# Altium PCB PCB1.PcbDoc
Units mil, origin at the board's own origin, x right, y up, seen from the top; angles counter-clockwise.
Board outline 6299.21 x 2401.57 mil, 4 copper layers (Top Layer, Int1 (GND), Int2 (PWR), Bottom Layer), stack 53.912 mil thick; 14 components, 27 nets, 114 pads, 6 vias.
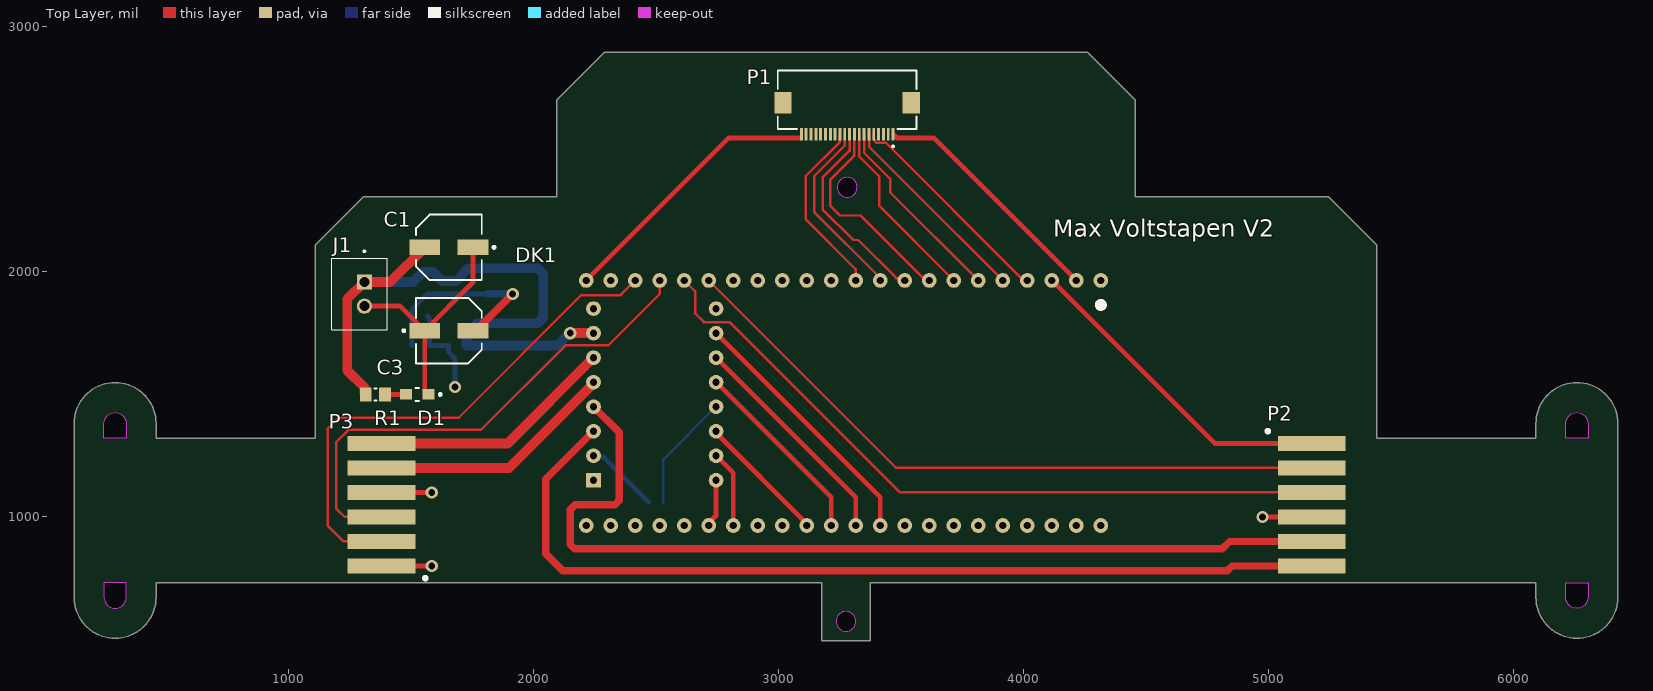
[diagram p0: Top Layer view]
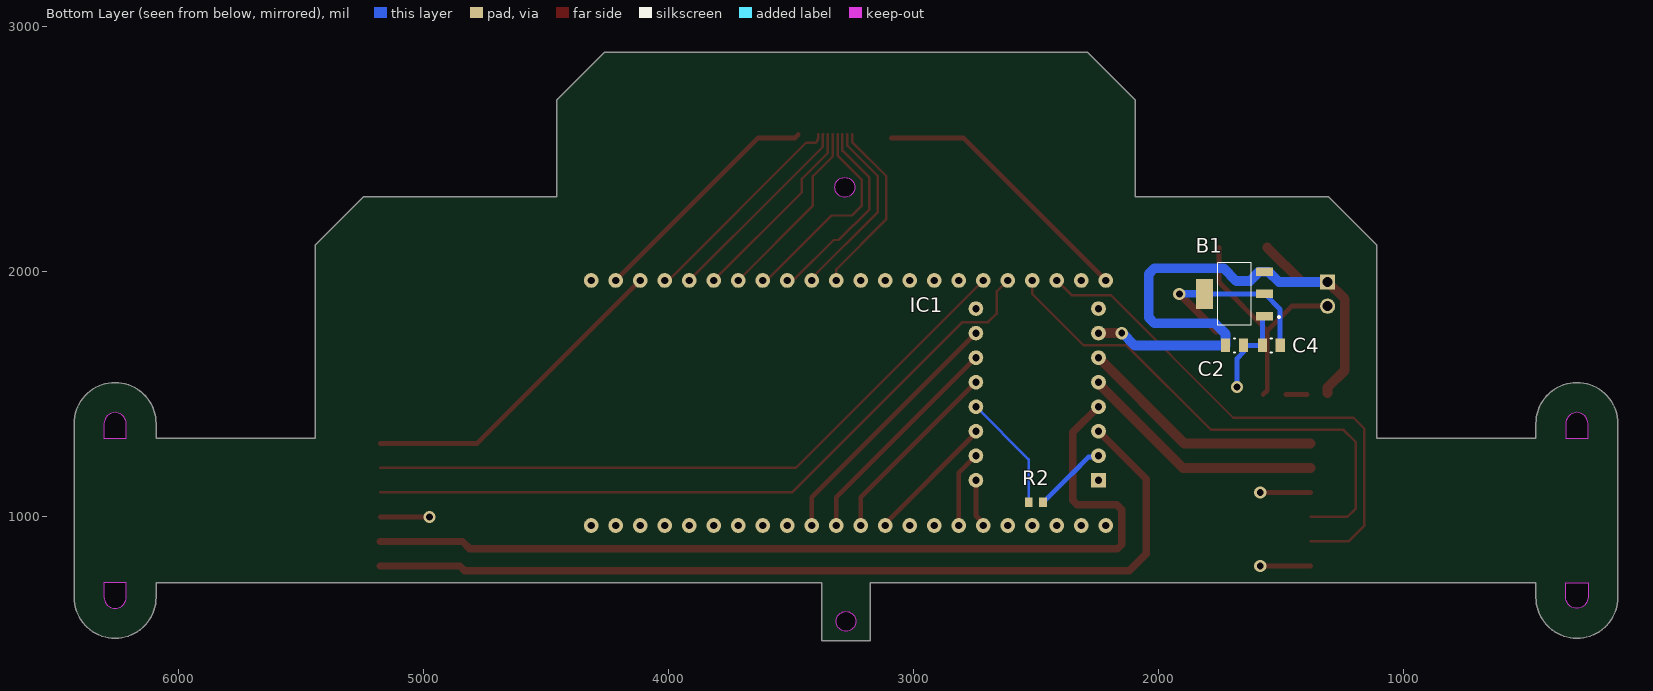
[diagram p1: Bottom Layer view, seen from below]
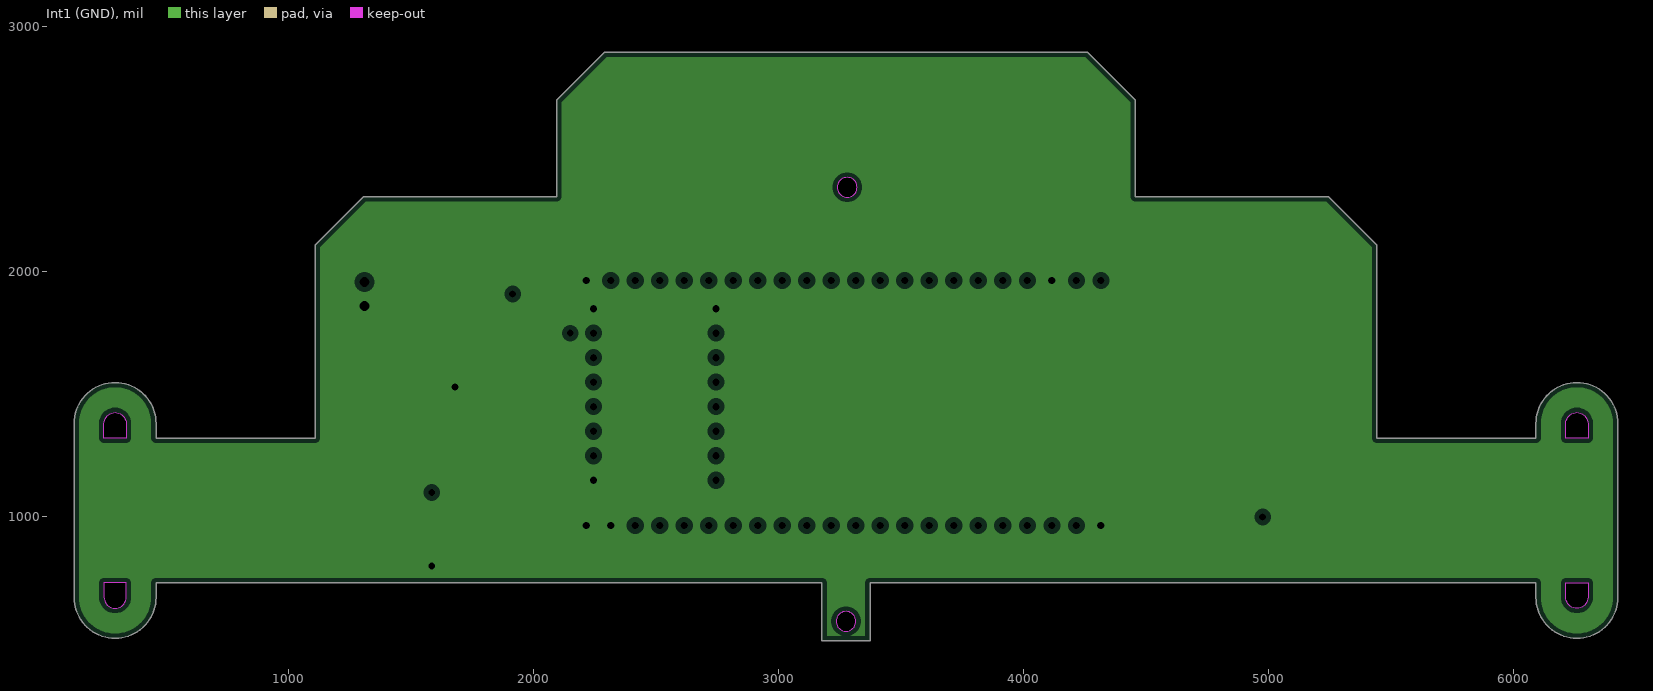
[diagram p2: Int1 (GND), clearances drawn from the general rule]
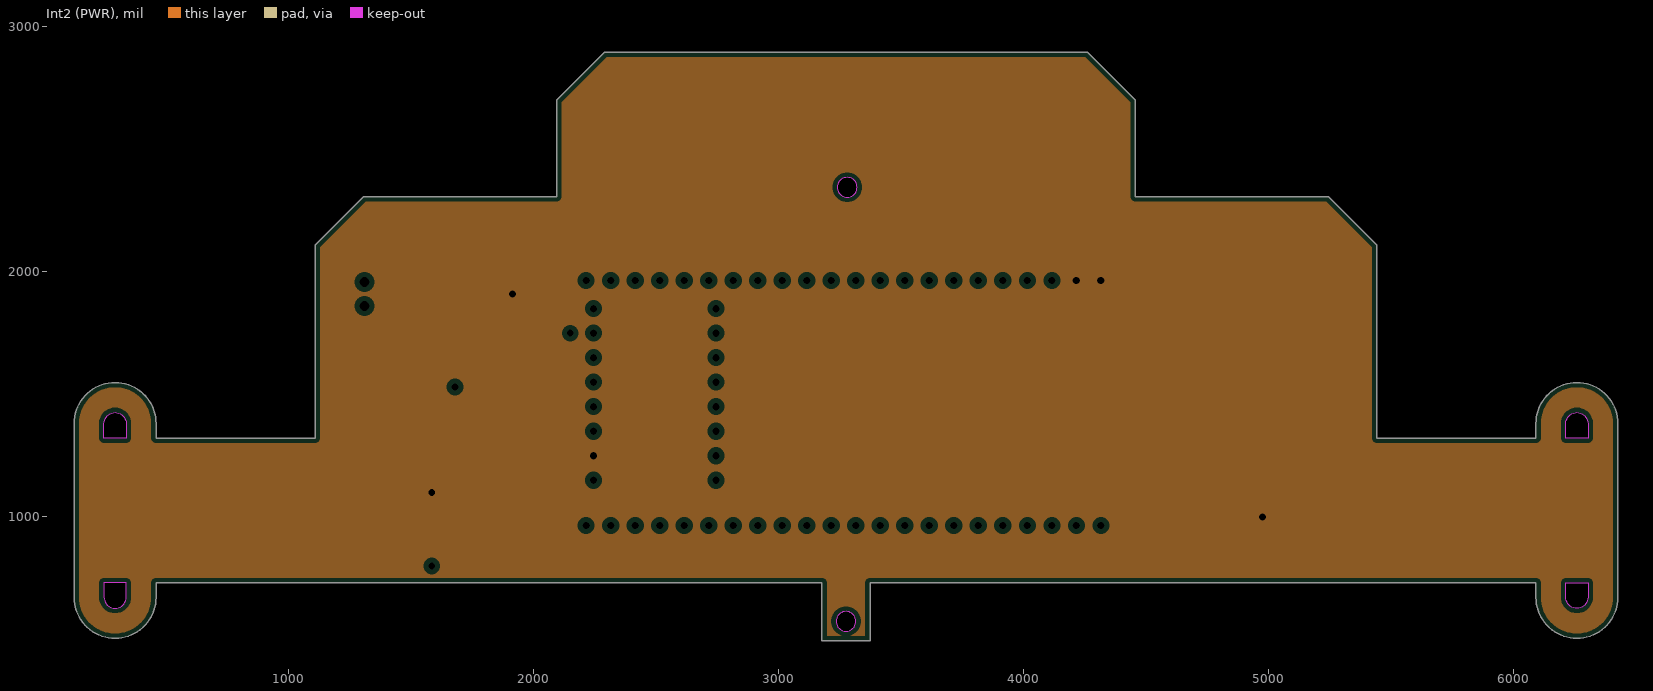
[diagram p3: Int2 (PWR), clearances drawn from the general rule]
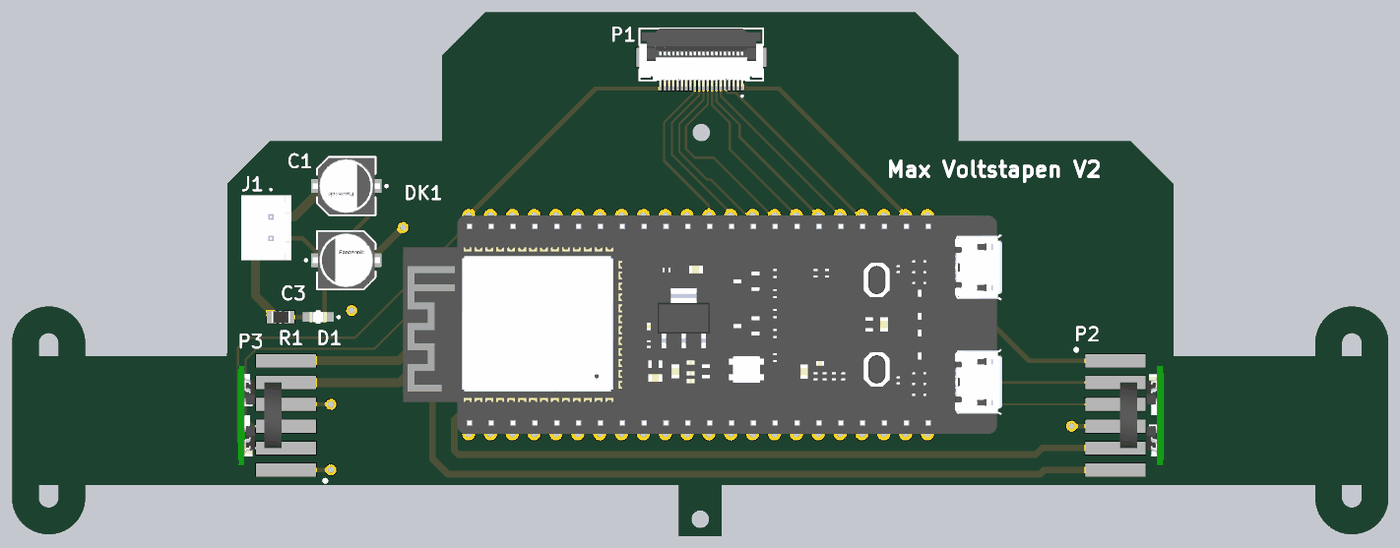
[diagram p4: 3D render of the assembled board from above, using the file's embedded part models]
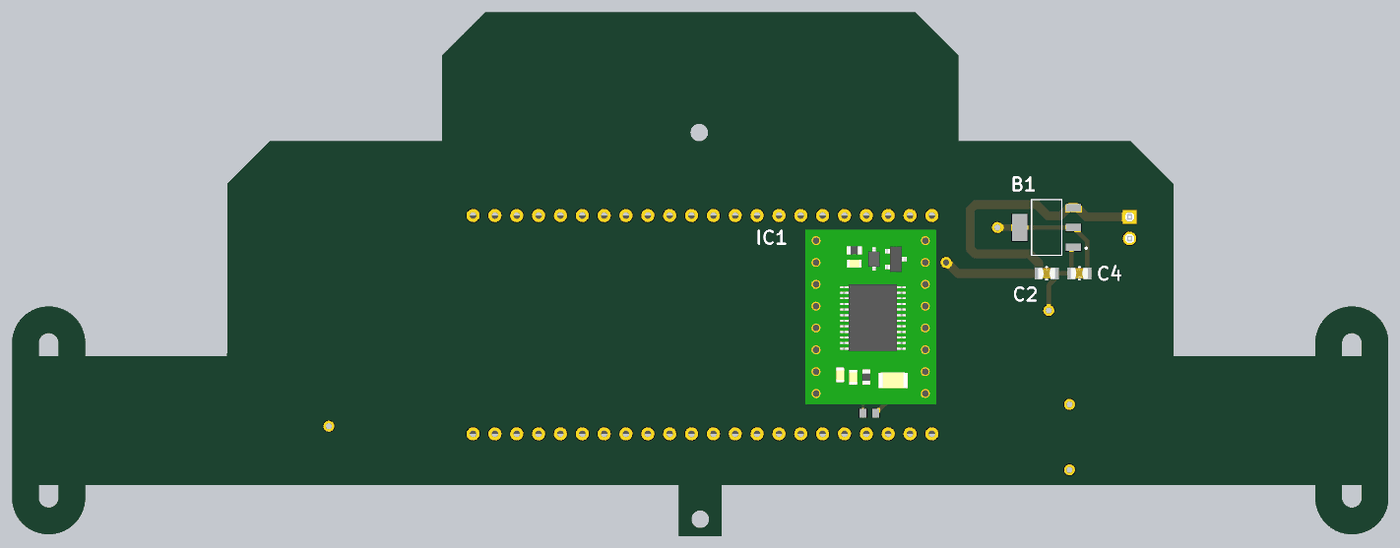
[diagram p5: 3D render of the assembled board from below, using the file's embedded part models]

## Layer stack, top to bottom
Top Solder: solder mask 1, SM-001, Dk 4
Top Layer: signal copper 1.378
Dielectric 1: prepreg 5.1, PP-017, Dk 4.3
Dielectric 2: prepreg 5.1, PP-017, Dk 4.3
Int1 (GND): plane copper 1.378, net GND
Dielectric 3: core 28, Core-039, Dk 4.8
Int2 (PWR): plane copper 1.378, net +3V3
Dielectric 4: prepreg 5.1, PP-017, Dk 4.3
Dielectric 5: prepreg 5.1, PP-017, Dk 4.3
Bottom Layer: signal copper 1.378
Bottom Solder: solder mask 1, SM-001, Dk 4

## Board outline
125.54,672.42 125.54,1381.08 cw(c292.86,1381.08) 460.18,1381.08 460.18,1322.02 1109.79,1322.02 1109.79,2109.42 1306.64,2306.27 2094.04,2306.27 2094.04,2699.97 2290.89,2896.82 4259.4,2896.82 4456.25,2699.97 4456.25,2306.27 5243.65,2306.27 5440.5,2109.42 5440.5,1322.02 6090.1,1322.02 6090.1,1381.08 cw(c6257.43,1381.08) 6424.75,1381.08 6424.75,672.42 cw(c6257.43,672.42) 6090.1,672.42 6090.1,731.47 3373.57,731.47 3373.57,495.25 3176.72,495.25 3176.72,731.47 460.18,731.47 460.18,672.42 cw(c292.86,672.42)
cut-out: 3234.79,573.99 ccw(c3275.14,573.99) 3275.14,533.64 ccw(c3275.14,573.99) 3315.5,573.99 ccw(c3275.14,573.99) 3275.14,614.34 ccw(c3275.14,573.99)
cut-out: 3239.65,2345 ccw(c3280,2345) 3280,2304.65 ccw(c3280,2345) 3320.35,2345 ccw(c3280,2345) 3280,2385.35 ccw(c3280,2345)
cut-out: 6212.15,672.42 6212.15,731.47 6302.7,731.47 6302.7,672.42 cw(c6257.43,672.42)
cut-out: 6212.15,1322.02 6212.15,1381.08 cw(c6257.43,1381.08) 6302.7,1381.08 6302.7,1322.02
cut-out: 247.58,672.42 ccw(c292.86,672.42) 338.14,672.42 338.14,731.47 247.58,731.47
cut-out: 247.58,1322.02 247.58,1381.08 cw(c292.86,1381.08) 338.14,1381.08 338.14,1322.02

## Design rules (kind name [scope] priority, off if disabled: settings)
Clearance [All] p1: gap=10 ignorepadtopadclearanceinfootprint=FALSE except(3.94: Arc-Arc Arc-Track Arc-SMDPad Track-Track Track-SMDPad SMDPad-SMDPad)
HoleSize [All] p1: absolutevalues=TRUE maxlimit=100 minlimit=8 maxpercent=80.000 minpercent=20.000
PlaneClearance [All] p1: clearance=20
PlaneConnect [All] p1: planeconnectstyle=Relief reliefexpansion=20 reliefentries=4 reliefconductorwidth=10 reliefairgap=10
PolygonConnect [All] p1: connectstyle=Relief reliefconductorwidth=10 reliefentries=4 polygonreliefangle="90 Angle" airgapwidth=10
RoutingVias [All] p1: holewidth=15.75 width=23.62 viastyle="Through Hole" minholewidth=7.87 minwidth=11.81 maxholewidth=28 maxwidth=50
SMDToCorner [All] p1: distance=0
SilkToSolderMaskClearance [IsPad] p1: minsilkscreentomaskgap=7 clearancetoexposedcopper=TRUE
SolderMaskExpansion [All] p1: expansion=4 istentingtop=FALSE
SupplyNets "Schematic Supply Nets_2" [InNet('V_BAT')] p1: voltage=0.000
SupplyNets "Schematic Supply Nets_1" [InNet('GND')] p2: voltage=0.000
SupplyNets "Schematic Supply Nets" [InNet('+3V3')] p3: voltage=0.000
UnRoutedNet [All] p1: checkbadconnections=TRUE
Width [All] p1: maxlimit=50 minlimit=4 preferedwidth=10
25 further rules are at their usual default settings.

## Classes and differential pairs
component class Sheet1: B1 C1 C2 C3 C4 D1 DK1 IC1 J1 P2 P3 R1 R2

## Components (designator, comment, footprint, x,y, rotation, side; value= is the part's Value field where it differs from the comment)
B1 "LM1117MP" SOT230P700X180-4N 1690,1910 r0 bottom
C1 "47u" FP-FPD-MFG 1655,2100 r180 top
C2 "100n" FP-CC0805-0_85-MFG 1690,1700 r0 bottom value="100 nF"
C3 "47u" FP-FPD-MFG 1655,1760 r0 top
C4 "100n" FP-CC0805-0_85-MFG 1540,1700 r180 bottom value="100 nF"
D1 "RED" FP-SML-21-MFG 1526.26,1500 r180 top
DK1 "ESP32-S3" "ESP32-S3-DevKit footprint" 3315,1465 r270 top
IC1 "TB6612FNG board" "TB6612FNG board footprint" 2245,1150 r0 bottom
J1 "B2B-XH-A(LF)(SN)" JST_B2B-XH-A(LF)(SN) 1289.33,1909.21 r90 top
P1 "FFC2B35-20-G" GCT_FFC2B35-20-G_REVA2 3280,2690 r180 top
P2 "Pololu Encoders" "Encoders Pololu footprint" 5096.26,1050 r0 top
P3 "Pololu Encoders" "Encoders Pololu footprint" 1458.74,1050 r180 top
R1 "470R" RESC2013X60X35ML10T20 1355,1500 r0 top
R2 "10k" RESC1608X55X25ML10T15 2500.47,1060 r180 bottom

## Footprints (in the part's own frame and the unit in brackets; to place one, negate y for a bottom-side part, rotate by r counter-clockwise, add the part's x,y. Pads: shape width x height; smd on the part's side, far side on the other; paste and mask are expansions set on the pad)
"Encoders Pololu footprint" [mm]
  rect 7x1.524 smd: 1(2,6.35) 2(2,3.81) 3(2,1.27) 4(2,-1.27) 5(2,-3.81) 6(2,-6.35)
  silkscreen extent -2.69,7.47 -2.39,7.77, body extent 2.54,-5.8 7.62,5.8, height 10.64
"ESP32-S3-DevKit footprint" [mil]
  round 60 hole 30: 1(-500,1000) 2(-500,900) 3(-500,800) 4(-500,700) 5(-500,600) 6(-500,500) 7(-500,400) 8(-500,300) 9(-500,200) 10(-500,100) 11(-500,0) 12(-500,-100) 13(-500,-200) 14(-500,-300) 15(-500,-400) 16(-500,-500) 17(-500,-600) 18(-500,-700) 19(-500,-800) 20(-500,-900) 21(-500,-1000) 22(-500,-1100) 23(500,-1100) 24(500,-1000) 25(500,-900) 26(500,-800) 27(500,-700) 28(500,-600) 29(500,-500) 30(500,-400) 31(500,-300) 32(500,-200) 33(500,-100) 34(500,0) 35(500,100) 36(500,200) 37(500,300) 38(500,400) 39(500,500) 40(500,600) 41(500,700) 42(500,800) 43(500,900) 44(500,1000)
  silkscreen extent -412,988 -388,1012, body extent -500,-1400 500,1342, height 618
FP-CC0805-0_85-MFG [mm]
  rect 0.95x1.4 smd paste+0 mask+0: 1(-0.925,0) 2(0.925,0)
  silkscreen extent -0.08,-0.72 0.08,0.72, body extent -1,-0.63 1,0.63, height 0.95
FP-FPD-MFG [mm]
  rect 3.2x1.6 smd paste+0 mask+0: 1(-2.5,0) 2(2.5,0)
  silkscreen extent -4.8,-3.4 3.4,3.4, body extent -4.35,-3.65 4.35,3.65, height 0.25
FP-SML-21-MFG [mm]
  rect 1.25x1.1 smd paste+0 mask+0: 1(-1.175,0) 2(1.175,0)
  silkscreen extent -2.5,-0.67 0.18,0.67, body extent -1.9,-0.77 1.9,0.77, height 0.25
GCT_FFC2B35-20-G_REVA2 [mm]
  rect 0.3x1.3 smd: 1(-4.75,3.25) 2(-4.25,3.25) 3(-3.75,3.25) 4(-3.25,3.25) 5(-2.75,3.25) 6(-2.25,3.25) 7(-1.75,3.25) 8(-1.25,3.25) 9(-0.75,3.25) 10(-0.25,3.25) 11(0.25,3.25) 12(0.75,3.25) 13(1.25,3.25) 14(1.75,3.25) 15(2.25,3.25) 16(2.75,3.25) 17(3.25,3.25) 18(3.75,3.25) 19(4.25,3.25) 20(4.75,3.25)
  rect 1.8x2.2 smd: S1(-6.65,0) S2(6.65,0)
  silkscreen extent -7.2,-3.35 7.2,4.62, body extent -7.2,-3.34 7.2,3.41, height 2
JST_B2B-XH-A(LF)(SN) [mm]
  rect 1.575x1.575 / inner round 1.575 / far side rect 1.575x1.575 hole 1.05: 1(1.25,-0.525)
  round 1.575 hole 1.05: 2(-1.25,-0.525)
  silkscreen extent -3.7,-2.88 4.54,2.88, body extent -3.7,-2.88 3.7,2.88, height 7
RESC1608X55X25ML10T15 [mm] "Chip Resistor, 2-Leads, Body 1.60x0.80mm, IPC Low Density"
  rect 0.8x1 smd: 1(-0.75,0) 2(0.75,0)
  body extent -0.85,-0.45 0.85,0.45, height 0.55
RESC2013X60X35ML10T20 [mm] "Chip Resistor, 2-Leads, Body 2.1x1.35mm, IPC Low Density"
  rect 1.2x1.45 smd: 1(-1,0) 2(1,0)
  silkscreen extent -0.1,-0.63 0.1,0.63, body extent -1.05,-0.68 1.05,0.67, height 0.6
SOT230P700X180-4N [mm]
  rect 1.76x0.88 smd: 1(-3.125,2.3) 2(-3.125,0) 3(-3.125,-2.3)
  rect 1.76x3.14 smd: 4(3.125,0)
  silkscreen extent -4.7,-3.25 1.75,3.25
"TB6612FNG board footprint" [mil]
  rect 60x60 hole 30: 1(0,0)
  round 60 hole 30: 2(0,-100) 3(0,-200) 4(0,-300) 5(0,-400) 6(0,-500) 7(0,-600) 8(0,-700) 9(500,0) 10(500,-100) 11(500,-200) 12(500,-300) 13(500,-400) 14(500,-500) 15(500,-600) 16(500,-700)
  body extent -50,-750 550,50, height 111

## Part data
C1 C3: library part CMP-2000-06216-2, "CAP ALUM 47UF 20% 35V SMD", Capacitance=47uF, Case/Package=Radial, ESR (Equivalent Series Resistance)=260mR, Leakage Current=3uA, Max Operating Temperature=105°C, Min Operating Temperature=-55°C, Package Quantity=1, Ripple Current=300mA, Tolerance=20%, Voltage=35V, Construction=Cylindrical, Contact Plating=Tin, Diameter=6.3mm, Dissipation Factor=0.12%, Height=5.8mm, Height - Seated (Max)=0.228inch, Lead Free="Lead Free", Lead Pitch=1.8mm, Length=5.8mm, Life (Hours)=2000Hour, Material=Aluminium, Mount="Surface Mount", Number of Pins=2, Packaging="Tape and Reel", Radiation Hardening=No, REACH SVHC="No SVHC", Ripple Current (AC)=300mA, RoHS Compliant=Yes, Series=FP, Termination=SMD/SMT, Voltage Rating=35V, Voltage Rating (DC)=35V
C2 C4: library part CMP-1036-04402-6, "CAP CER 0.1UF 16V X7R 0805", Capacitance="100 nF", Manufacturer=Yageo, Manufacturer Part Number=CC0805KRX7R7BB104, Package=CC0805-0.85, Temperature="-30°C to +85°C", Temperature Characteristic=X7R, Temperature Range High=+85°C, Temperature Range Low=-30°C, Tolerance=0.1, Voltage Rating="16 V", Automotive=No, Category=Cap, ComponentLink2Description=Datasheet, ComponentLink2URL=http://www.yageo.com/documents/recent/UPY-GPHC_Y5V_6.3V-to-50V_8.pdf, Device Class L1="Passive Components", Device Class L2=Capacitors, Device Class L3="Ceramic Capacitors", Digikey Description="CAP CER 0.1UF 16V X7R 0805", Footprint Url=http://www.yageo.com/exep/pages/download/literatures/UPY-C_GEN_24.pdf, Height=0.95mm, Ipc Land Pattern Name=CAPC200125X85, Lead Free=Yes, Material=Ceramic, Mouser Description="Multilayer Ceramic Capacitors MLCC - SMD/SMT 100nF 16V X7R 10%", Octopart=https://octopart.com/cc0805krx7r7bb104-yageo-39467769, RoHS=TRUE
D1: library part CMP-08952-000017-1, "LED RED CLEAR 0805 SMD", Ambient Temperature Range High=+85°C, Ambient Temperature Range Low=-30°C, Colour=Red, Forward Current=20mA, Forward Voltage=2V, Manufacturer=ROHM, Manufacturer Part Number=SML-210VTT86, Package=SML-21, Power Dissipation=70mW, Reverse Voltage=4V, Temperature="-30°C to +85°C", Automotive=No, Category=Diode, ComponentLink2Description=Datasheet, ComponentLink2URL=https://media.digikey.com/pdf/Data%20Sheets/Rohm%20PDFs/sml-210.pdf, Device Class L1=Optoelectronics, Device Class L2=LEDs, Device Class L3=unset, Digikey Description="LED RED CLEAR 0805 SMD", Footprint Url=https://eu.mouser.com/datasheet/2/348/sml-21-313092.pdf, Height=0.9mm, Lead Free=Yes, Led Orientation="Top View", Luminous Intensity=4mcd, Mouser Description="Standard LEDs - SMD RED SMD TRANS LENS", Obsolete Part=true, Octopart=https://octopart.com/sml-210vtt86-rohm-550728, Peak Emmision Wavelength=650nm, RoHS=TRUE, Temperature Range High=+85°C, Temperature Range Low=-30°C, Wavelength=630nm
DK1: library part "ESP32-S3-N16R2 DevKit"
J1: "Connector Header Through Hole 2 position 0.098 (2.50mm)", Package=None, Check_prices=https://www.snapeda.com/parts/B2B-XH-A(LF)(SN)/JST+Sales+America+Inc./view-part/?ref=eda, MF="JST Sales America Inc.", MP=B2B-XH-A(LF)(SN), SnapEDA_Link=https://www.snapeda.com/parts/B2B-XH-A(LF)(SN)/JST+Sales+America+Inc./view-part/?ref=snap
R1: library part CMP-2100-03673-1, "Chip Resistor, 0 Ohm, Jumper, +/- 5%, 0.125 W, -55 to 155 degC, 0805 (2012 Metric), RoHS, Tape and Reel", Case Code (Imperial)=0805, Case Code (Metric)=2012, Manufacturer=Yageo, Max Operating Temperature=155degC, Min Operating Temperature=-55degC, Package Description="2-Pin Surface Mounted Device, Body 2 x 1.25 mm", Power Rating=125mW, Resistance=0mOhm, Temperature Coefficient=200ppm/degreesC, Tolerance=5%, Voltage Rating=150V, Case/Package=0805, Composition=ThickFilm, Contact Plating=Tin, Datasheet URL=http://www.yageo.com/NewPortal/yageodocoutput?fileName=/pdf/R-Chip/PYu-RC_Group_51_RoHS_L_5.pdf, Datasheet Version="Rev. 5, 10/2016", Depth=1.25mm, Height=0.5mm, Lead Free=LeadFree, Length=2mm, Manufacturer URL=http://www.yageo.com/, Military Standard=Not, Number of Pins=2, Package Reference=0805, Packaging=TapeandReel, Radiation Hardening=No, REACH SVHC=Unknown, RoHSCompliant=true, Termination=SMD/SMT, Voltage Rating (DC)=150V, Width=1.25mm
R2: library part CMP-2100-03667-1, "Chip Resistor, 0 Ohm, +/- 5%, 0.1 W, -55 to 155 degC, 0603 (1608 Metric), RoHS, Tape and Reel", Case Code (Imperial)=0603, Case Code (Metric)=1608, Manufacturer=Yageo, Max Operating Temperature=155degC, Min Operating Temperature=-55degC, Package Description="2-Pin Surface Mount Device, Body 1.6 x 0.8 mm", Package Quantity=5000, Power Rating=100mW, Resistance=0mOhm, Temperature Coefficient=200ppm/degreesC, Tolerance=5%, Voltage Rating=50V, Case/Package=0603, Composition=ThickFilm, Contact Plating=Tin, Datasheet URL=http://www.yageo.com/NewPortal/yageodocoutput?fileName=/pdf/R-Chip/PYu-RC_Group_51_RoHS_L_5.pdf, Datasheet Version="Rev. 5, 10/2016", Depth=0.8mm, Height=0.45mm, Lead Free=LeadFree, Length=1.6mm, Manufacturer URL=http://www.yageo.com/, Military Standard=Not, Number of Pins=2, Package Reference=0603, Packaging=TapeandReel, Radiation Hardening=No, REACH SVHC=NoSVHC, RoHSCompliant=true, Termination=SMD/SMT, Voltage Rating (DC)=50V, Width=0.8mm

## Via types
v1: diameter 50, hole 28, Top Layer to Bottom Layer, 6 vias

## Nets (pads, with @x,y where several pads share a name; then routed paths per layer and width w, separated by ;. In a path a pad name is that pad's centre, name@x,y a point inside that pad or via, vN(x,y) a via of type N, cw(c..) or ccw(c..) an arc to the next point about the centre after c; other vN are vias at no path point)
+3V3: B1.2 B1.4 C3.2 C4.2 DK1.1 DK1.2 IC1.2 P1.1 P2.4 P3.4 R2.2 | length 2509.1
  Top Layer w20: P3.4 v1(1585,1100) ; P1.1@3470,2560 3483.54,2546.46 3633.54,2546.46 DK1.2 ; v1(4975,1000) P2.4
  Top Layer w30: C3.2 1765,1760 v1(1915,1910)
  Bottom Layer w20: C4.2 1503.58,1846.61 B1.2 B1.4 ; IC1.2 2249.93,1245.07 2284.93,1245.07 2355,1175 2355.94,1175 R2.2
  Bottom Layer w30: B1.4 v1(1915,1910)
AIN1: DK1.32 IC1.11 | length 538.3
  Top Layer w20: IC1.11 2745,1342.5 3115,972.5 DK1.32
AIN2: DK1.29 IC1.10 | length 314
  Top Layer w20: IC1.10 2815,1180 DK1.29
AO1: IC1.3 P2.6 | length 3743.1
  Top Layer w30: IC1.3 2050,1155 2050,850 2120,780 4830,780 4850,800 P2.6
AO2: IC1.4 P2.5 | length 3828.6
  Top Layer w30: IC1.4 2350,1345 2350,1067.57 2332.43,1050 2170,1050 2150,1030 2150,887.57 2167.57,870 4810,870 4840,900 P2.5
BIN1: DK1.33 IC1.13 | length 779.7
  Top Layer w20: IC1.13 3215,1080 DK1.33
BIN2: DK1.34 IC1.14 | length 921.1
  Top Layer w20: IC1.14 3315,1080 DK1.34
BO1: IC1.6 P3.6 | length 1010
  Top Layer w40: P3.6 1895,1300 IC1.6
BO2: IC1.5 P3.5 | length 1012.9
  Top Layer w40: P3.5 1900,1200 2245,1545 IC1.5
D_KAT: D1.2 R1.2 | length 85.6
  Top Layer w20: R1.2 D1.2
GND: B1.1 C1.1 C2.1 C3.1 C4.1 D1.1 DK1.3 DK1.22 DK1.23 DK1.24 DK1.44 IC1.1 IC1.8 IC1.16 J1.2 P1.20 P2.1 P3.1 | length 4012.8
  Top Layer w20: J1.2 1456.57,1860 C3.1 ; P3.1 v1(1585,800) ; D1.1 1556.57,1515.94 C3.1 ; C1.1 1753.43,1956.85 C3.1 ; DK1.22 2796.46,2546.46 P1.20@3088.9,2546.46 ; DK1.3 4780,1300 P2.1
  Bottom Layer w20: B1.1 1576.42,1810 C4.1 C2.1 1653.58,1672.44 1680,1646.02 v1(1680,1530)
LOUTA: DK1.18 P2.3 | length 2971
  Top Layer w10: DK1.18 2660,1920 2660,1830 2695,1795 2800,1795 3495,1100 P2.3
LOUTB: DK1.17 P2.2 | length 2776.9
  Top Layer w10: DK1.17 3480,1200 3815,1200 P2.2
PWMA: DK1.28 IC1.9 | length 197.4
  Top Layer w20: DK1.28 2715,975.82 2745,1005.82 IC1.9
PWMB: DK1.35 IC1.15 | length 1062.5
  Top Layer w20: IC1.15 3415,1080 DK1.35
ROUTA: DK1.19 P3.3 | length 2095.1
  Top Layer w10: P3.3 1230,1000 1195,1035 1195,1305 1245,1355 1785,1355 2130,1700 2305,1700 2515,1910 DK1.19
ROUTB: DK1.20 P3.2 | length 2147.5
  Top Layer w10: P3.2 1225,900 1160,965 1160,1360 1205,1405 1695,1405 2195,1905 2355,1905 DK1.20
SENS1: DK1.8 P1.9 | length 864.6
  Top Layer w10: P1.9 3309.53,2474.53 3210,2375 3210,2270 3250,2230 3335,2230 3585.68,1979.32 3587.15,1979.32 3601.47,1965 DK1.8
SENS2: DK1.9 P1.10 | length 807.7
  Top Layer w10: P1.10 3289.84,2494.84 3180,2385 3180,2255 3305,2130 3325,2130 3480.68,1974.32 3505.68,1974.32 DK1.9
SENS3: DK1.10 P1.11 | length 760.7
  Top Layer w10: P1.11 3270.16,2515.16 3145,2390 3145,2245 3415,1975 DK1.10
SENS4: DK1.11 P1.12 | length 740.1
  Top Layer w10: P1.12 3249.91,2561.48 3249.91,2529.91 3110,2390 3110,2215 3315,2010 DK1.11
SENS5: DK1.7 P1.8 | length 756.8
  Top Layer w10: P1.8 3329.21,2470.79 3410,2390 3410,2270 DK1.7
SENS6: DK1.4 P1.5 | length 888.4
  Top Layer w10: P1.5 3388.27,2542.36 3393.11,2537.52 3393.11,2535.6 3393.11,2532.75 3398.35,2527.52 3437.48,2527.52 3985.68,1979.32 3987.15,1979.32 4001.47,1965 DK1.4
SENS7: DK1.5 P1.6 | length 823.4
  Top Layer w10: P1.6 3369.49,2561.14 3369.49,2510.51 3545,2335 DK1.5
SENS8: DK1.6 P1.7 | length 790.1
  Top Layer w10: P1.7 3349.8,2561.14 3349.8,2485.2 3455,2380 3455,2325 DK1.6
STBY: IC1.12 R2.1 | length 479.1
  Bottom Layer w10: R2.1 2530,1235 IC1.12
V_BAT: B1.3 C1.2 C2.2 IC1.7 J1.1 R1.1 | length 2723.9
  Top Layer w20: R1.1@1310,1505.63 R1.1
  Top Layer w40: R1.1@1310,1505.63 1310,1528.54 1240,1598.54 1240,1888.43 J1.1 1415,1958.43 C1.2 ; v1(2150,1750) IC1.7
  Bottom Layer w40: J1.1 1508.43,1958.43 1550.55,2000.55 1589.45,2000.55 1626.77,1963.23 1683.23,1963.23 1735,2015 2016.57,2015 2040,1991.57 2040,1813.43 2016.57,1790 1768.86,1790 1726.42,1747.56 C2.2 2097.29,1700 2147.29,1750 v1(2150,1750)
pads on no net: DK1.12 DK1.13 DK1.14 DK1.15 DK1.16 DK1.21 DK1.25 DK1.26 DK1.27 DK1.30 DK1.31 DK1.36 DK1.37 DK1.38 DK1.39 DK1.40 DK1.41 DK1.42 DK1.43 P1.2 P1.3 P1.4 P1.13 P1.14 P1.15 P1.16 P1.17 P1.18 P1.19 P1.S1 P1.S2

## Polygon pours and split planes (outlines as drawn)
GND on Int1 (GND) (split plane): 287 vertices, not listed, extent 145.63,515.35 6404.65,2876.73
+3V3 on Int2 (PWR) (split plane): 287 vertices, not listed, extent 145.63,515.35 6404.65,2876.73

## Silkscreen, mask and mechanical layers (free items; w line width, h text height)
Top Overlay:
  text "Max Voltstapen V2" at 4120,2143.33 h70
Mechanical 1:
  circle w0.5: c3275.14,573.99 r40.35
  circle w0.5: c3280,2345 r40.35
  lines w0.5: 247.58,1322.02 338.14,1322.02 ; 247.58,1322.02 247.58,1381.08 cw(c292.86,1381.08) 338.14,1381.08 338.14,1322.02 ; 247.58,1322.02 338.14,1322.02 ; 125.54,672.42 ccw(c292.86,672.42) 460.18,672.42 460.18,731.47 3176.72,731.47 3176.72,495.25 3373.57,495.25 3373.57,731.47 6090.1,731.47 6090.1,672.42 ccw(c6257.43,672.42) 6424.75,672.42 6424.75,731.47 6424.75,1322.02 6424.75,1381.08 ccw(c6257.43,1381.08) 6090.1,1381.08 6090.1,1322.02 5440.5,1322.02 5440.5,2109.42 5243.65,2306.27 4456.25,2306.27 4456.25,2699.97 4259.4,2896.82 3275.14,2896.82 2290.89,2896.82 2094.04,2699.97 2094.04,2306.27 1306.64,2306.27 1109.79,2109.42 1109.79,1322.02 460.18,1322.02 460.18,1381.08 ccw(c292.86,1381.08) 125.54,1381.08 125.54,1322.02 125.54,731.47 125.54,672.42 ; 247.58,672.42 ccw(c292.86,672.42) 338.14,672.42 338.14,731.47 247.58,731.47 247.58,672.42 ; 6212.15,672.42 ccw(c6257.43,672.42) 6302.7,672.42 6302.7,731.47 6212.15,731.47 6212.15,672.42 ; 6212.15,1322.02 6302.7,1322.02 6302.7,1381.08 ccw(c6257.43,1381.08) 6212.15,1381.08 6212.15,1322.02